# Altium PCB 串口板2.0.PcbDoc (part 1 of 2) (continued)
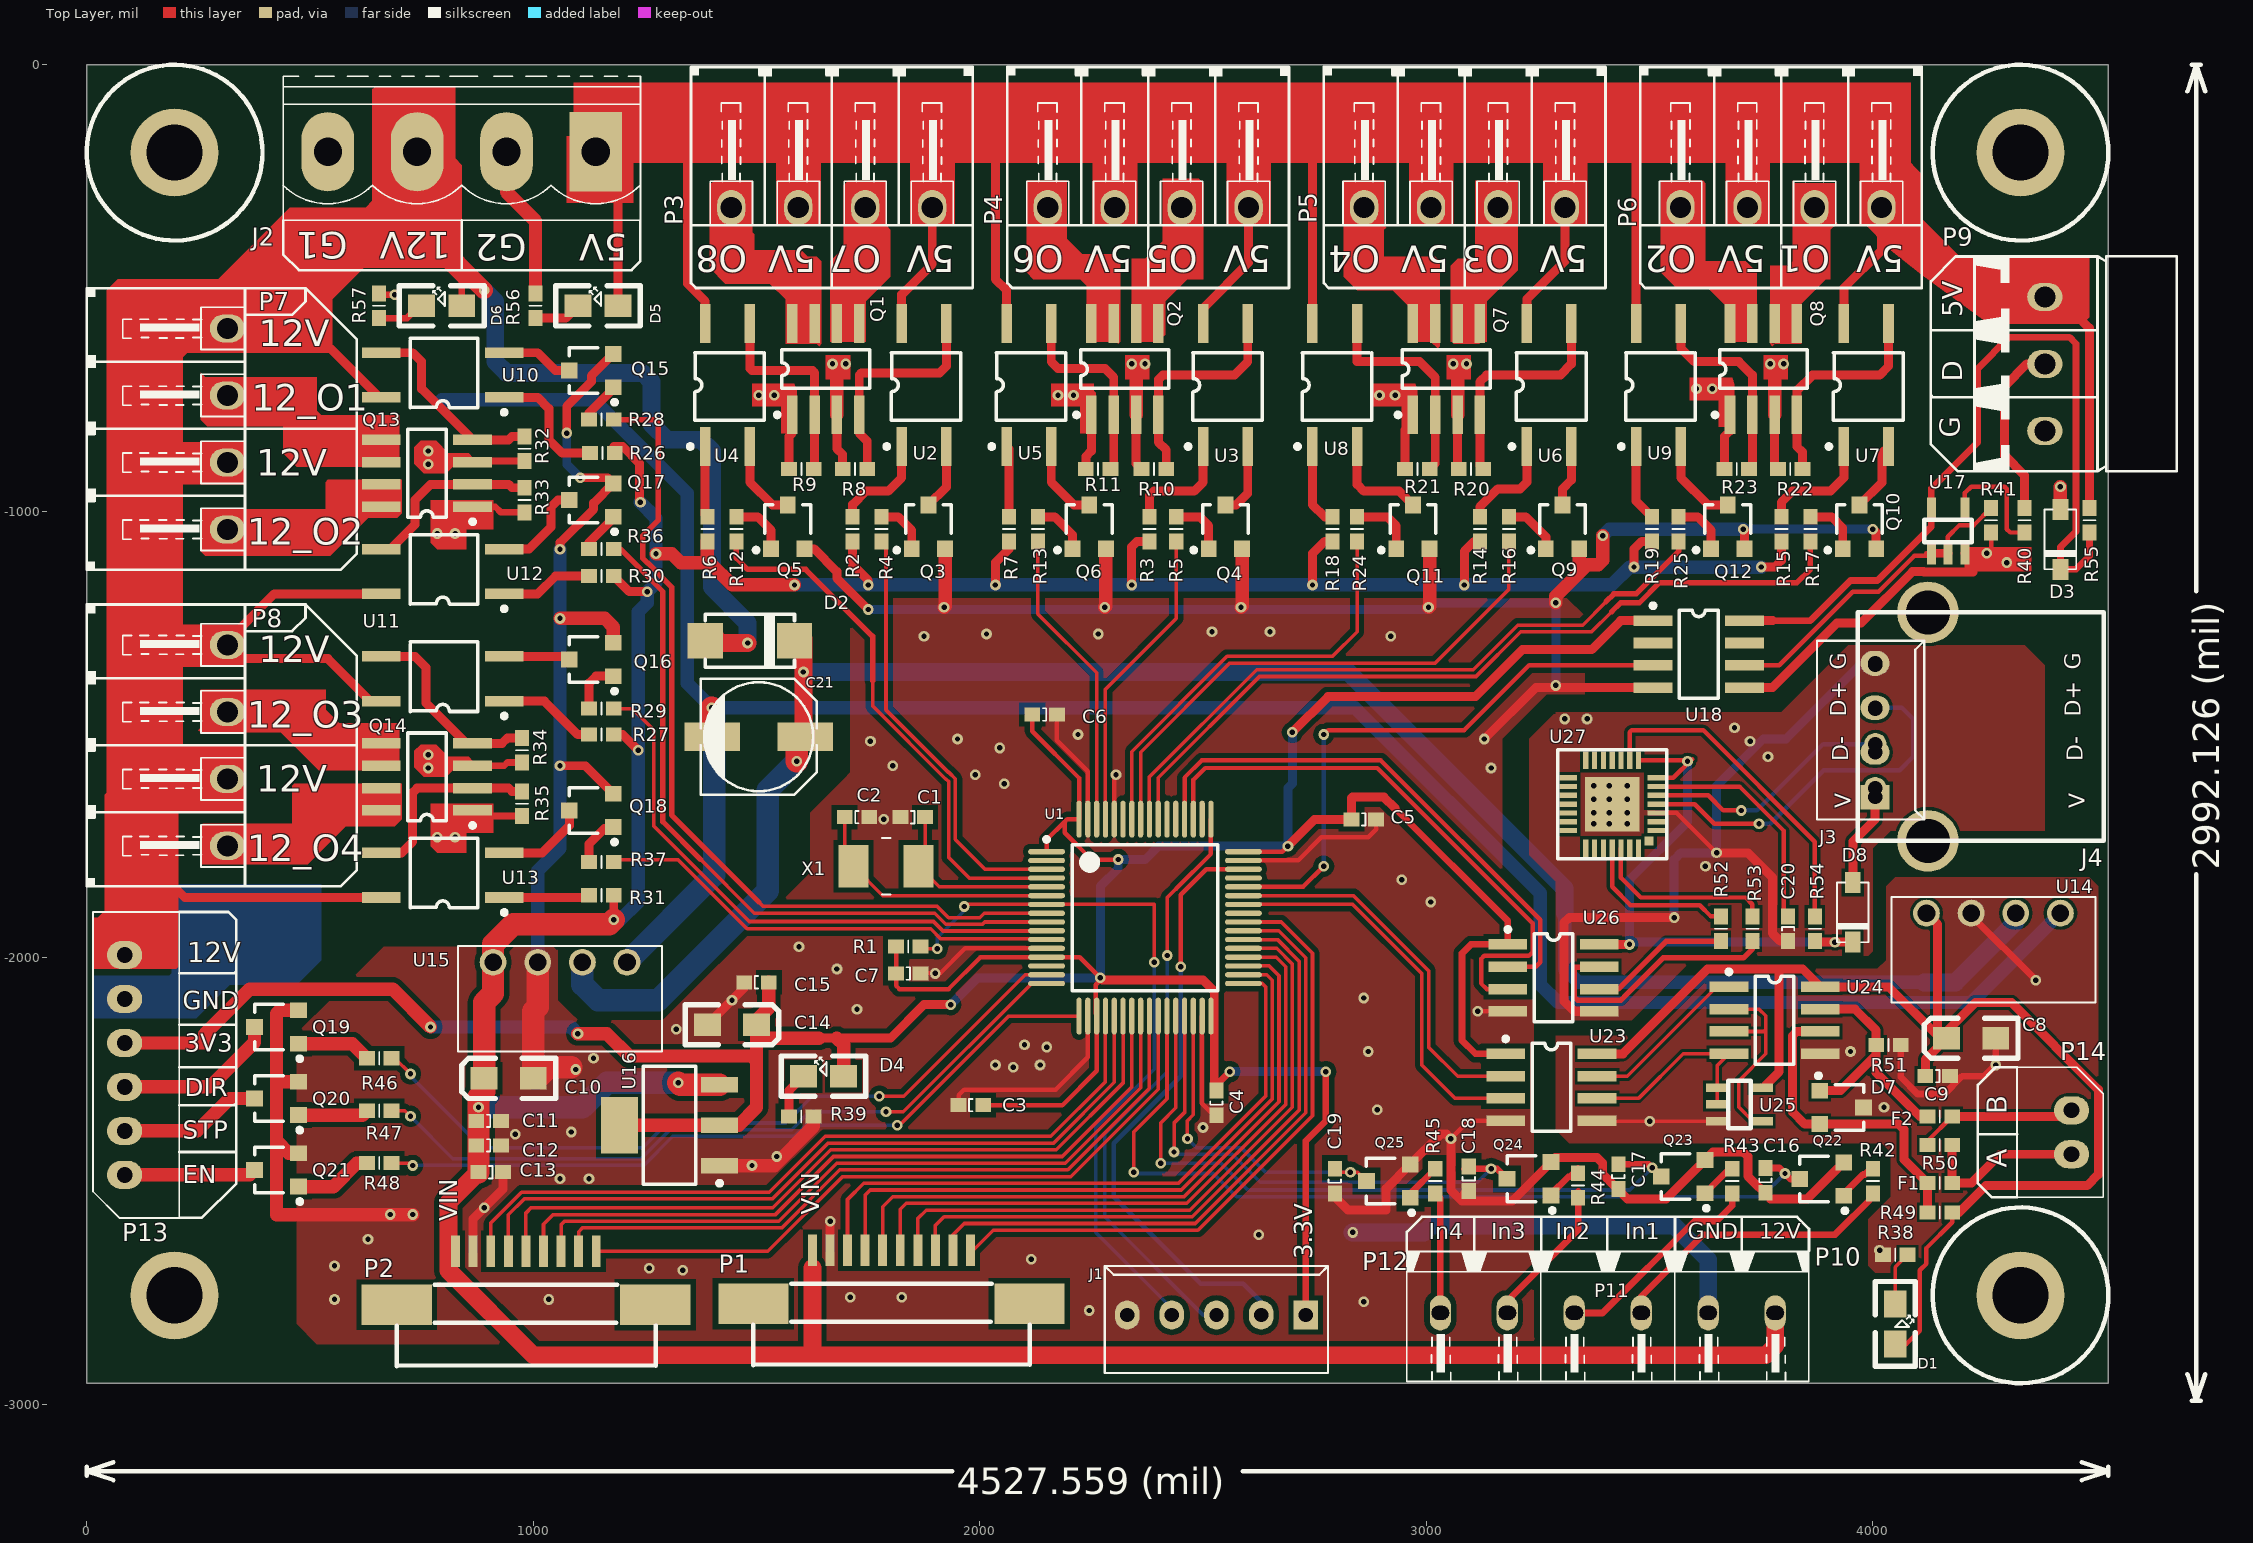
[diagram p0: Top Layer view]
## Footprints (in the part's own frame and the unit in brackets; to place one, negate y for a bottom-side part, rotate by r counter-clockwise, add the part's x,y. Pads: shape width x height; smd on the part's side, far side on the other; paste and mask are expansions set on the pad)
375N [mm]
  rect 2.2x0.6 smd: 1(-6.985,1.524) 2(-6.985,-1.016) 3(0.015,-1.016) 4(0.015,1.524)
  silkscreen extent -7.11,-1.85 -1.65,2.5, body extent -6.88,-1.99 -0.08,2.31, height 2.1
1608 [mm]
  rect 0.9x0.8 smd: 1(-0.7,0) 2(0.7,0)
  silkscreen extent 0,-0.35 0,0.35, body extent -0.75,-0.39 0.75,0.41, height 0.45
1608C [mm]
  rect 0.9x0.8 smd: 1(-0.7,0) 2(0.7,0)
  silkscreen extent -0.1,-0.35 0.1,0.36, body extent -0.8,-0.41 0.8,0.39, height 0.8
3216 [mil]
  rect 60x50 smd: 1(0,0) 2(-110,0)
  silkscreen extent -160,-45 50,45, body extent -117,-30 9,33, height 63
5264-2 [mm]
  oval 1.6x2 hole 0.9: 1(0,0) 2(2.5,0)
  silkscreen extent -2.45,-1.8 4.95,3.1, body extent -2.46,-1.82 4.94,3.08, height 5.95
5264-6 [mm]
  oval 1.6x2 hole 0.9: 1(6.25,0) 2(3.75,0) 3(1.25,0) 4(-1.25,0) 5(-3.75,0) 6(-6.25,0)
  silkscreen extent -8.7,-3.1 8.7,1.8, body extent -8.7,-3.1 8.7,1.8, height 5.95
B0505S [mil]
  round 60 hole 39.37: 1(-150,0) 2(-50,0) 3(50,0) 4(150,0)
  silkscreen extent -228,-36 228,200
CAN3.81W/4 [mm]
  oval 1.6x2 hole 1.2: 1(0,0) 2(3.81,0) 3(7.62,0) 4(11.43,0)
  silkscreen extent -2.29,-8 13.72,1, body extent -2.45,-8.03 14.18,1.27, height 7.25
ch2.5/4 [mil]
  rect 55x65 hole 32: 1(0,0)
  oval 55x65 hole 32: 2(100,0) 3(200,0) 4(300,0)
  silkscreen extent -50,-110 350,130, body extent -50,-125 350,125, height 460
ch2.5/5 [mil]
  rect 55x65 hole 32: 1(0,0)
  oval 55x65 hole 32: 2(100,0) 3(200,0) 4(300,0) 5(400,0)
  silkscreen extent -50,-110 450,130, body extent -50,-110 450,130, height 394
ECS6.3/6.6 [mm]
  rect 3.15x1.6 smd: 1(2.65,0) 2(-2.65,0)
  silkscreen extent -3.3,-3.3 3.3,3.3, body extent -3.5,-3.2 3.5,3.4, height 5.2
FPC-9B [mm]
  rect 4x2.3 smd: 0(-0.655,-1.708) 0(14.045,-1.708)
  rect 0.508x1.8 smd: 1(2.695,1.342) 2(3.695,1.342) 3(4.695,1.342) 4(5.695,1.342) 5(6.695,1.342) 6(7.695,1.342) 7(8.695,1.342) 8(9.695,1.342) 9(10.695,1.342)
  silkscreen extent -0.66,-5.2 14.07,-0.56
FPC-10B [mm]
  rect 4x2.3 smd: 0(-3.35,-3.05) 0(12.35,-3.05)
  rect 0.508x1.8 smd: 1(0,0) 2(1,0) 3(2,0) 4(3,0) 5(4,0) 6(5,0) 7(6,0) 8(7,0) 9(8,0) 10(9,0)
  silkscreen extent -3.36,-6.54 12.38,-1.9
KF2EDGV-3.81/3 [mm]
  oval 1.6x2 hole 1.2: 1(0,0) 2(3.81,0) 3(7.62,0)
  silkscreen extent -2.3,-7.5 9.93,4.01, body extent -2.57,-7.52 10.25,4.88, height 23.2
KF2EDGV-5.08/4 [mm]
  rect 3x4.5 hole 1.6: 1(0,0)
  oval 3x4.5 hole 1.6: 2(5.08,0) 3(10.16,0) 4(15.24,0)
  silkscreen extent -2.54,-4.3 17.79,3.9, body extent -2.54,-11.71 17.78,3.89, height 18.4
KF128-3.81-2P [mm]
  oval 1.2x2 hole 0.8 slot 1 at 0 deg: 1(-1.905,0) 2(1.905,0)
  silkscreen extent -3.81,-3.9 3.83,3.54, body extent -3.81,-3.77 3.81,3.53, height 8.5
LED/S [mil]
  rect 60x50 smd: A(0,0) K(90,0)
  silkscreen extent -50,-45 140,45, body extent 9,-25 88,25, height 43
LQFP64_M [mm]
  oval 2.1x0.3 smd: 1(-5.6,3.75) 2(-5.6,3.25) 3(-5.6,2.75) 4(-5.6,2.25) 5(-5.6,1.75) 6(-5.6,1.25) 7(-5.6,0.75) 8(-5.6,0.25) 9(-5.6,-0.25) 10(-5.6,-0.75) 11(-5.6,-1.25) 12(-5.6,-1.75) 13(-5.6,-2.25) 14(-5.6,-2.75) 15(-5.6,-3.25) 16(-5.6,-3.75) 33(5.6,-3.75) 34(5.6,-3.25) 35(5.6,-2.75) 36(5.6,-2.25) 37(5.6,-1.75) 38(5.6,-1.25) 39(5.6,-0.75) 40(5.6,-0.25) 41(5.6,0.25) 42(5.6,0.75) 43(5.6,1.25) 44(5.6,1.75) 45(5.6,2.25) 46(5.6,2.75) 47(5.6,3.25) 48(5.6,3.75)
  oval 0.3x2.1 smd: 17(-3.75,-5.6) 18(-3.25,-5.6) 19(-2.75,-5.6) 20(-2.25,-5.6) 21(-1.75,-5.6) 22(-1.25,-5.6) 23(-0.75,-5.6) 24(-0.25,-5.6) 25(0.25,-5.6) 26(0.75,-5.6) 27(1.25,-5.6) 28(1.75,-5.6) 29(2.25,-5.6) 30(2.75,-5.6) 31(3.25,-5.6) 32(3.75,-5.6) 49(3.75,5.6) 50(3.25,5.6) 51(2.75,5.6) 52(2.25,5.6) 53(1.75,5.6) 54(1.25,5.6) 55(0.75,5.6) 56(0.25,5.6) 57(-0.25,5.6) 58(-0.75,5.6) 59(-1.25,5.6) 60(-1.75,5.6) 61(-2.25,5.6) 62(-2.75,5.6) 63(-3.25,5.6) 64(-3.75,5.6)
  silkscreen extent -5.72,-4.15 4.15,4.57, body extent -6,-6 6,6, height 1.6
QFN-28 [mm]
  rect 0.5x0.5 smd: 0(0.41,0.599)
  rect 1x0.3 smd: 1(0.01,-0.001) 2(0.01,-0.501) 3(0.01,-1.001) 4(0.01,-1.501) 5(0.01,-2.001) 6(0.01,-2.501) 7(0.01,-3.001) 15(5.01,-3.001) 16(5.01,-2.501) 17(5.01,-2.001) 18(5.01,-1.501) 19(5.01,-1.001) 20(5.01,-0.501) 21(5.01,-0.001)
  rect 3.1x3.1 smd: 3(2.51,-1.501)
  rect 0.3x1 smd: 8(1.01,-4.001) 9(1.51,-4.001) 10(2.01,-4.001) 11(2.51,-4.001) 12(3.01,-4.001) 13(3.51,-4.001) 14(4.01,-4.001) 22(4.01,0.999) 23(3.51,0.999) 24(3.01,0.999) 25(2.51,0.999) 26(2.01,0.999) 27(1.51,0.999) 28(1.01,0.999)
  silkscreen extent -0.59,-4.6 5.61,1.6
SMA_DO-214AC [mm] "5.08mm X 3.0mm SMD"
  rect 2x2 smd: 1(0,0) 2(5.08,0)
  silkscreen extent 0,-1.5 5.08,1.5, body extent -0.03,-1.6 5.11,1.6, height 2
SMD2_50X32 [mm]
  rect 1.7x2.4 smd: 1(1.85,0) 2(-1.85,0)
  silkscreen extent -0.25,-1.6 0.25,1.6, body extent -2.51,-1.6 2.49,1.6, height 1.35
so8 [mm]
  rect 2.2x0.6 smd: 1(-2.6,1.905) 2(-2.6,0.635) 3(-2.6,-0.635) 4(-2.6,-1.905) 5(2.6,-1.905) 6(2.6,-0.635) 7(2.6,0.635) 8(2.6,1.905)
  silkscreen extent -2.72,-2.5 1.1,2.88, body extent -3.72,-2.42 3.69,2.48, height 1.7
SOD-123 [mm]
  rect 1.2x0.9 smd: 1(3.4,0) 2(0,0)
  silkscreen extent 0,-0.91 3.4,0.9, body extent -0.17,-0.84 3.68,0.86, height 0.92
SOT223_L [mm] "SOT223, 4-Leads, Body 6.5x3.5mm, Pitch 2.3mm, Lead Span 7mm, IPC High Density"
  rect 2.1x0.9 smd: 1(-2.85,2.3) 2(-2.85,0) 3(-2.85,-2.3)
  rect 2.1x3.2 smd: 2(2.85,0)
  silkscreen extent -2.98,-3.35 1.5,3.42, body extent -1.85,-3.35 1.85,3.35, height 1.7
sot-23 [mm]
  rect 0.9x0.95 smd: 1(-0.95,-1.25) 2(0.95,-1.25) 3(0,1.25)
  silkscreen extent -1.93,-1.45 1.3,1.25, body extent -1.53,-1.5 1.37,1.3, height 1.2
SOT-23-5 [mil] "SOT-23-5"
  rect 20x50 smd: 1(14,49) 2(-23,49) 3(-61,49) 4(-61,-51) 5(14,-51)
  silkscreen extent -77,-26 30,24, body extent -80,-47 34,47, height 39
sot-23-5 [mil] "SOT-23-5"
  rect 20x50 smd: 1(14,49) 2(-23,49) 3(-61,49) 4(-61,-51) 5(14,-51)
  silkscreen extent -77,-26 30,24, body extent -80,-47 34,47, height 39
USB-A-M [mm]
  round 1.27 hole 0.813: 1(0,0) 2(0.016,2.5) 3(0,4.5) 4(0,7)
  round 3.5 hole 2.5: 5(3,-3) 5(3,10)
  silkscreen extent -1,-3 13,10

## Part data
C1 C2 C3 C4 C5 C6 C7 C9 C11 C12 C13 C15 C16 C17 C18 C19: library part Cap, "Capacitor"
C8 C10 C14 C21: library part "Cap Pol1", "Polarized Capacitor (Radial)"
C20: library part CAP, "Capacitor"
D1 D4 D5 D6: library part LED
D2 D3: library part Diode, "Default Diode"
D7: library part NUP2105L-D
D8: "Default Diode"
F1 F2 R1 R2 R3 R4 R5 R6 R7 R8 R9 R10 R11 R12 R13 R14 R15 R16 R17 R18 R19 R20 R21 R22 R23 R24 R25 R26 R27 R28 R29 R30 R31 R32 R33 R34 R35 R36 R37 R38 R39 R40 R41 R42 R43 R44 R45 R46 R47 R48 R49 R50 R51 R52 R53 R54 R55 R56 R57: library part Res2, "Resistor"
J1: library part "Header 5", "Header, 5-Pin"
J2 P3 P4 P5 P6 P7 P8 U14 U15: library part "Header 4", "Header, 4-Pin"
J3 J4: library part "4 HEADER", "4 Pin Header"
P1: "Header, 10-Pin"
P2: "Header, 9-Pin"
P9 U16: library part "Header 3", "Header, 3-Pin"
P10 P11 P12 P14: library part "Header 2", "Header, 2-Pin"
P13: library part "Header 6", "Header, 6-Pin"
Q1 Q2 Q7 Q8 Q13 Q14: library part "AO4882 MOSFET 2N-CH 40V 8A 8SOIC", "Mosfet Array 2 N-Channel (Dual) 40V 8A 2W Surface Mount 8-SOIC"
Q3 Q4 Q5 Q6 Q9 Q10 Q11 Q12 Q15 Q16 Q17 Q18 Q19 Q20 Q21 Q22 Q23 Q24 Q25: library part NPNBT
U2 U3 U4 U5 U6 U7 U8 U9 U10 U11 U12 U13: library part Optoisolator1, "4-Pin Phototransistor Optocoupler"
U17 U25: library part LMV321
U18 U23 U24 U26: library part max485
U27: library part Component_1
X1: library part CRYSTAL

## Free pads (board coordinates)
  round 196.85 hole 125.98: 1(196.85,-2755.91) 1(196.85,-196.85) 1(4330.71,-2755.91) 1(4330.71,-196.85)

## Via types
v1: diameter 24, hole 12, Top Layer to Bottom Layer, 185 vias

## Nets (pads, with @x,y where several pads share a name; then routed paths per layer and width w, separated by ;. In a path a pad name is that pad's centre, name@x,y a point inside that pad or via, vN(x,y) a via of type N, cw(c..) or ccw(c..) an arc to the next point about the centre after c; other vN are vias at no path point)
5V_GND: D3.1 J2.2 P9.1 Q1.1 Q1.3 Q2.1 Q2.3 Q7.1 Q7.3 Q8.1 Q8.3 R8.1 R9.2 R10.1 R11.2 R20.1 R21.2 R22.1 R23.2 R41.1 R56.2 U17.3 U18.5 | length 2514.4
  Top Layer w10: U17.3@4206,-1094 v1(4255,-1094) 4259,-1094 4265,-1088 R41.1@4265,-1047.56
  Top Layer w20: R9.2@1572.91,-905.25 1572.91,-832.09 1580,-825 Q1.1@1580,-784.13 ; Q1.3@1680,-784.13 1680,-860 1692.91,-872.91 R8.1@1692.91,-905.25 ; R11.2@2237.44,-905.25 2237.44,-877.56 2250,-865 Q2.1@2250,-784.13 ; Q2.3@2350,-784.13 2350,-892.81 R10.1@2362.44,-905.25 ; R21.2@2952.44,-905.25 2952.44,-817.56 2970,-800 Q7.1@2970,-784.13 ; Q7.3@3070,-784.13 3070,-902.81 R20.1@3072.44,-905.25 ; R23.2@3667.44,-905.25 3667.44,-832.56 3680,-820 Q8.1@3680,-784.13 ; U18.5@3712.36,-1395 3775,-1395 3920,-1250 3973.69,-1250 4088.69,-1135 4112.96,-1135 4113.96,-1136 4224,-1136 4224,-1112 U17.3@4206,-1094 ; Q8.3@3780,-784.13 3780,-860 3780,-897.81 R22.1@3787.44,-905.25
  Top Layer w30: J2.2@940,-195 940,-285 1005,-350 R56.2@1005,-512.44 ; Q1.3@1680,-784.13 1680,-700 ; Q2.3@2350,-784.13 2350,-700 ; Q7.3@3070,-784.13 3070,-700 ; Q8.3@3780,-784.13 3780,-700 3785,-695 ; D3.1@4420,-996.14 v1(4420,-945)
  other v1: 4300,-1115 1505,-740 1540,-740 2175,-740 2210,-740 2895,-740 2930,-740 3605,-725.87 3640,-725.87 1670,-670 1700,-670 2340,-670 2370,-670 3060,-670 3090,-670 3770,-670 3800,-670
5V_IN: D5.A J2.1 P3.1 P3.3 P4.1 P4.3 P5.1 P5.3 P6.1 P6.3 P9.3 R55.1 U2.4 U3.4 U4.4 U5.4 U6.4 U7.4 U8.4 U9.4 | length 3915.6
  Top Layer w20: J2.1@1140,-195 1190,-245 D5.A@1190,-540 ; 1345,-205 1345,-490 1385,-530 U4.4@1385,-579.41 ; U2.4@1825,-579.41 1825,-515 1893.5,-446.5 P3.1@1893.5,-319.96 ; 2035,-220 2035,-480 2060,-505 U5.4@2060,-579.41 ; U3.4@2500,-579.41 2500,-545 2602.17,-442.83 P4.1@2602.17,-319.96 ; U8.4@2745,-579.41 2745,-210 2750,-205 ; U6.4@3225,-579.41 3225,-525 3310.83,-439.17 P5.1@3310.83,-319.96 ; U9.4@3470,-579.41 3470,-210 ; U7.4@3935,-579.41 3935,-500 4019.49,-415.51 P6.1@4019.49,-319.96 ; 4455,-560 4485,-590 R55.1@4485,-992.44
  Top Layer w100: J2.1@1140,-195 1235,-100 1520,-100
5V_ISO: C8.1 C9.2 D1.A R49.1 U14.4 U23.8 U24.8 U25.5 | length 2965.3
  Top Layer w8: U23.8@3382.36,-2215 U23.8@3390,-2215
  Top Layer w10: D1.A@4050,-2865 4075,-2865 4105,-2835 4105,-2700 4120,-2685 4120,-2650 4177.56,-2592.44 R49.1@4177.56,-2570
  Top Layer w20: U23.8@3390,-2215 3440,-2215 3630,-2025 3790,-2025 ; U25.5@3751,-2291 3754,-2291 3790,-2255 3790,-2025 ; C9.2@4117.44,-2265 4117.44,-2227.56 4145,-2200 C8.1@4145,-2175 ; U14.4@4120,-1900 4145,-1925 C8.1@4145,-2175 ; R49.1@4177.56,-2570 4193.18,-2570 4253.18,-2510 4480,-2510 4505,-2485 4505,-2295 4310,-2100 4230,-2100 4150,-2180 C8.1@4145,-2175 ; 3790,-2025 3842.36,-2025 U24.8@3882.36,-2065 4035,-2065 C8.1@4145,-2175
12V: C21.1 D2.2 U14.2 U15.2 | length 4373.2
  Top Layer w40: D2.2@1605,-1285 v1(1605,-1360) 1605,-1485.67 C21.1@1624.33,-1505
  Top Layer w50: v1(1590,-1560) 1590,-1524.33 C21.1@1609.33,-1505
  Bottom Layer w30: 3310,-1900 3310,-2025 3340,-2055 4115,-2055
  Bottom Layer w40: v1(1605,-1360) 2825,-1360 3310,-1845 3310,-1900 ; 4115,-2055 4185,-2055 4320,-1920 U14.2@4320,-1900
  Bottom Layer w50: U15.2@1110,-2010 1110,-2060 1145,-2095 1280,-2095 1525,-1850 1525,-1625 v1(1590,-1560)
12V_GND: C21.2 J2.4 P13.2 Q13.1 Q13.3 Q14.1 Q14.3 R32.1 R33.2 R34.1 R35.2 R57.2 U14.1 U15.1 | length 5857.2
  Top Layer w15: R57.2@655,-515 v1(690,-515) ; Q14.1@864.13,-1670 876.69,-1682.56 R35.2@975,-1682.56 ; Q14.3@864.13,-1570 935,-1570 942.44,-1562.56 R34.1@975,-1562.56 ; Q13.1@864.13,-990 914.88,-990 927.44,-1002.56 R33.2@980,-1002.56 ; Q13.3@864.13,-890 866.57,-887.56 R32.1@980,-887.56
  Top Layer w50: v1(1400,-1440) 1400,-1504.33 C21.2@1400.67,-1505
  Bottom Layer w30: 795,-750 1135,-750 1345,-960 1345,-1385 v1(1400,-1440) 2840,-1440 3255,-1855 3255,-2060 3295,-2100 4220,-2100 U14.1@4420,-1900
  Bottom Layer w50: U15.1@1210,-2010 1405,-1815 1405,-1445 v1(1400,-1440)
  other v1: 785,-1730 825,-1730 765,-1575 765,-1545 785,-1050 825,-1050 765,-895 765,-865
12V_IN: D2.1 D6.A J2.3 P7.1 P7.3 P8.1 P8.3 P13.1 U10.4 U11.4 U12.4 U13.4 | length 3360.9
  Top Layer w15: J2.3@740,-195 740,-385 840,-485 D6.A@840,-540
  Top Layer w20: 165,-1650 165,-1810 220,-1865 U13.4@659.41,-1865 ; 340,-1330 540,-1330 635,-1425 U11.4@659.41,-1425 ; 340,-1265 420,-1185 U12.4@659.41,-1185 ; 545,-635 655,-745 U10.4@659.41,-745
  Top Layer w40: 825,-445 830,-445 v1(890,-505) ; D2.1@1405,-1285 1410,-1285 1420,-1295 v1(1480,-1295)
  Bottom Layer w40: v1(890,-505) 915,-530 915,-665 940,-690 1245,-690 1265,-710 1265,-805 1300,-840 1375,-840 1400,-865 1400,-1170 1480,-1250 v1(1480,-1295)
485+: F1.1 P14.1 R50.2 | length 379.2
  Top Layer w20: R50.2@4177.56,-2419.51 F1.1@4177.56,-2504.51 4220.49,-2504.51 4285,-2440 P14.1@4445,-2440
485-: F2.1 P14.2 R50.1 | length 360.3
  Top Layer w10: R50.1@4122.44,-2419.51 4122.44,-2410.12 F2.1@4177.56,-2355
  Top Layer w20: F2.1@4177.56,-2355 4431.57,-2355 P14.2@4445,-2341.57
+3V3: C3.2 C4.2 C5.2 C6.2 C7.2 C14.1 C15.2 D4.A J1.1 P13.3 R1.1 U1.1 U1.13 U1.19 U1.32 U1.48 U1.64 U16.2 U18.1 U23.1 U26.1 | length 9165.6
  Top Layer w10: R1.1@1812.44,-1965 C7.2@1812.44,-2035 1812.44,-2062.44 1820,-2070 1930,-2070 2001.42,-1998.58 U1.13@2149.53,-1998.58 2223.58,-1998.58 v1(2270,-2045) ; C3.2@2007.56,-2330 2185,-2330 2261.73,-2253.27 U1.19@2261.73,-2130.47 ; C6.2@2117.44,-1455 2117.44,-1492.44 2222.36,-1597.36 U1.64@2222.36,-1689.53 2195.47,-1689.53 2190,-1695 ; U1.1@2149.53,-1762.36 2149.53,-1735.47 2190,-1695 ; U1.19@2259.95,-2125 2259.95,-2060.05 2270,-2050 v1@2275,-2050 ; v1(2310,-1780) 2250,-1780 2190,-1720 2190,-1695 ; U1.48@2590.47,-1762.36 2677.64,-1762.36 v1(2690,-1750)
  Top Layer w15: C4.2@2530,-2297.44 2530,-2285 v1(2560,-2255) ; J1.1@2730,-2800 2730,-2410 2775,-2365 v1(2775,-2255) ; 2930,-1665 3182.64,-1917.64 U26.1@3182.64,-1970 3100,-1970 3080,-1990 3080,-2185 3110,-2215 U23.1@3177.64,-2215
  Top Layer w20: 1640,-2180 1680,-2180 1800,-2180 1875,-2105 v1(1935,-2105) ; v1(2270,-2045) 2275,-2050 2500,-2050 2525,-2075 2525,-2292.44 C4.2@2530,-2297.44 ; v1(2690,-1750) 2750,-1690 C5.2@2832.44,-1690 2832.44,-1642.56 2835,-1640 2905,-1640 2930,-1665 ; v1(2700,-1495) 2780,-1415 3110,-1415 3215,-1310 3370,-1310 3435,-1245 U18.1@3507.64,-1245
  Top Layer w30: P13.3@85,-2190.79 264.21,-2190.79 264.21,-2170.79 365,-2070 685,-2070 v1(770,-2155) ; v1(1100,-2170) 1165,-2170 1215,-2220 1490,-2220 1500,-2230 ; U16.2@1192.8,-2375 U16.2@1417.2,-2375 1460,-2375 1500,-2335 1500,-2230 ; C15.2@1527.56,-2055 1527.56,-2112.44 1500,-2140 C14.1@1500,-2150 1500,-2180 ; 1640,-2180 1500,-2180 ; 1680,-2180 1695,-2195 D4.A@1695,-2265 ; 1500,-2230 1500,-2180
  Bottom Layer w20: v1(1935,-2105) 1995,-2045 v1(2270,-2045) 2270,-1840 2310,-1800 v1(2310,-1780) 2370,-1780 2400,-1750 v1(2690,-1750) 2690,-1620 2700,-1610 v1(2700,-1495) ; v1(2560,-2255) v1(2775,-2255)
  Bottom Layer w30: v1(770,-2155) 1085,-2155 v1(1100,-2170)
G_ISO: C8.2 C9.1 D7.3 R38.2 R51.1 U14.3 U23.5 U24.5 U25.3 | length 866.5
  Top Layer w8: U23.5@3382.36,-2365 3383.36,-2366 U25.3@3651,-2366
  Top Layer w15: R51.1@4062.56,-2195 4062.56,-2267.56 4100,-2305 4160,-2305 4200,-2265 4250,-2265 v1(4275,-2240) C8.2@4275,-2180 ; U14.3@4220,-1900 4220,-1905 v1(4365,-2050)
  other v1: 4015,-2655 3500,-2366 4025,-2335 3950,-2210
G_USB: C20.2 J3.4 J4.4 U26.5 U27.3 | length 1853.2
  Top Layer w10: U27.3@3514.62,-1675.58 3560.58,-1675.58 v1(3650,-1765)
  Top Layer w20: U26.5@3387.36,-2120 3331.33,-2120 3308.06,-2096.72 3308.06,-1921.94 3320,-1910 v1(3555,-1910) ; v1(3650,-1765) 3720,-1765 3775,-1820 3775,-1945 3792.56,-1962.56 C20.2@3810,-1962.56
  Bottom Layer w20: v1(3555,-1910) 3555,-1780 3570,-1765 v1(3650,-1765) 3650,-1615 3755,-1510 3805,-1510 3975,-1340 J3.4@4005,-1340
  other v1: 3625,-1795 3375,-1700 3410,-1700 3450,-1700 3375,-1675 3410,-1675 3450,-1675 3375,-1645 3410,-1645 3450,-1645 3375,-1615 3410,-1615 3450,-1615 3765,-1550 3725,-1515 3690,-1485 3310,-1465 3360,-1465
GND: C1.2 C2.2 C3.1 C4.1 C5.1 C6.1 C7.1 C10.2 C11.1 C12.1 C13.1 C14.2 C15.1 C16.1 C17.1 C18.1 C19.1 J1.5 P1.2 P2.2 P10.1 Q3.2 Q4.2 Q5.2 Q6.2 Q9.2 Q10.2 Q11.2 Q12.2 Q15.2 Q16.2 Q17.2 Q18.2 Q19.2 Q20.2 Q21.2 Q22.2 Q23.2 Q24.2 Q25.2 R39.2 U1.12 U1.18 U1.31 U1.47 U1.60 U1.63 U15.3 U16.1 U18.4 U23.4 U26.4 | length 12160.3
  Top Layer w10: C7.1@1867.56,-2035 1910.96,-2035 1967.06,-1978.9 U1.12@2149.53,-1978.9 ; C3.1@1952.44,-2330 1952.44,-2307.56 1965,-2295 2170,-2295 2242.05,-2222.95 U1.18@2242.05,-2130.47 ; C6.1@2172.56,-1455 2172.56,-1512.56 2242.05,-1582.05 U1.63@2242.05,-1689.53 ; U1.60@2301.1,-1689.53 2301.1,-1593.9 v1(2305,-1590) ; U1.31@2497.95,-2130.47 2497.25,-2131.17 2497.25,-2325.83 2525,-2353.58 C4.1@2525,-2357.56 ; U1.47@2590.47,-1782.05 2712.95,-1782.05 2765,-1730 2870,-1730 2887.56,-1712.44 C5.1@2887.56,-1690 ; v1(3055,-2405) 3095,-2365 U23.4@3177.64,-2365 ; v1(3115,-2120) U26.4@3182.64,-2120
  Top Layer w20: P2.2@865.47,-2657.17 865.47,-2584.53 932.56,-2517.44 C13.1@932.56,-2480 ; v1(1060,-1570) 1116.61,-1570 Q18.2@1179.21,-1632.6 ; v1(1060,-1085) 1060,-1070 1135,-995 1135,-981.81 Q17.2@1179.21,-937.6 1166.61,-925 v1(1105,-925) ; v1(1075,-825) 1075,-765 1130,-710 1130,-696.81 Q15.2@1179.21,-647.6 ; C14.2@1390,-2150 1472.44,-2067.56 C15.1@1472.44,-2055 ; Q5.2@1607.4,-1084.21 1629.21,-1084.21 1680,-1135 1680,-1150 v1(1750,-1220) ; P1.2@1664.37,-2655 1665,-2654.37 v1(1665,-2590) ; C19.1@2795,-2527.56 2795,-2535 2825,-2565 2910,-2565 2910,-2516.81 Q25.2@2964.21,-2462.6 3031.81,-2395 3045,-2395 v1(3055,-2405) 3055,-2520 3080,-2545 3191.81,-2545 Q24.2@3279.21,-2457.6 3289.7,-2447.11 3382.11,-2447.11 3395,-2460 3395,-2484.95 3450.05,-2540 3536.81,-2540 Q23.2@3624.21,-2452.6 3641.81,-2435 3710,-2435 3720,-2445 3720,-2489.17 3770.83,-2540 3852.54,-2540 Q22.2@3934.47,-2458.07 ; C18.1@3085,-2527.56 C18.1@3087.5,-2530.06 ; v1(3130,-1510) 3245,-1395 U18.4@3507.64,-1395 ; v1(3710,-1040) 3712.4,-1042.4 Q12.2@3712.4,-1084.21 ; v1(4000,-1040) 4007.4,-1047.4 Q10.2@4007.4,-1084.21
  Top Layer w30: Q21.2@474.21,-2437.6 452.6,-2437.6 425,-2410 ; Q20.2@474.21,-2277.6 427.4,-2277.6 425,-2280 ; Q19.2@474.21,-2117.6 432.4,-2117.6 425,-2125 425,-2280 ; v1(730,-2575) 425,-2575 425,-2410 ; v1(1060,-1240) 1160,-1240 1179.21,-1259.21 Q16.2@1179.21,-1294.6 ; U16.1@1417.2,-2465.55 1539.45,-2465.55 1627.56,-2377.44 R39.2@1627.56,-2355 ; v1(1920,-1215) 1922.4,-1212.6 Q3.2@1922.4,-1084.21 ; v1(2280,-1215) 2282.4,-1212.6 Q6.2@2282.4,-1084.21 ; v1(2585,-1215) 2587.4,-1212.6 Q4.2@2587.4,-1084.21 ; v1(3005,-1215) 3007.4,-1212.6 Q11.2@3007.4,-1084.21 ; v1(3290,-1205) 3290,-1190 3360,-1120 ; Q9.2@3342.4,-1084.21 3342.4,-1120 3360,-1120 ; v1(3395,-1055) 3395,-1110 3385,-1120 3360,-1120 ; 425,-2410 425,-2280
  Top Layer w50: U15.3@1010,-2010 1010,-2110 1000,-2120 C10.2@1000,-2270 1010,-2270 1035,-2245 v1@1085,-2245
  Bottom Layer w20: v1(1075,-825) 1075,-895 v1(1105,-925) ; v1(1750,-1220) 3000,-1220 v1(3005,-1215) 3015,-1205 v1(3290,-1205) v1(3290,-1390) v1@3285,-1395 ; v1(3710,-1040) v1(4000,-1040)
  Bottom Layer w30: U15.3@1010,-2010 1010,-1805 1060,-1755 v1(1060,-1570) v1(1060,-1240) v1(1060,-1085) ; v1(3395,-1055) 3410,-1040 v1(3710,-1040)
  Bottom Layer w40: v1(2835,-2615) 2995,-2615 3010,-2600 3555,-2600 3631.3,-2676.3 P10.1@3631.3,-2795.28
  other v1: 2245,-2790 2860,-2770 555,-2765 1035,-2765 1710,-2760 1825,-2760 1335,-2700 1260,-2695 555,-2690 2115,-2675 630,-2630 2625,-2620 680,-2575 890,-2560 1060,-2495 1125,-2495 1490,-2465 1545,-2445 960,-2395 1085,-2390 2500,-2380 2890,-2340 1095,-2250 2075,-2245 2035,-2240 2135,-2240 1135,-2225 2870,-2210 2150,-2200 2100,-2195 1320,-2160 1725,-2115 1445,-2095 2860,-2090 1900,-2035 1680,-2025 1595,-1975 3010,-1875 2945,-1825 1785,-1690 2055,-1610 1990,-1590 3145,-1575 1805,-1570 2045,-1530 1755,-1515 1950,-1510 2220,-1500 1875,-1280 2920,-1280 2015,-1275 2265,-1275 2520,-1270 2650,-1270
JTCK/SWCLK: J1.3 U1.49 | length 1330
  Top Layer w8: v1(2420,-1995) 2420,-1865 2440,-1845
  Top Layer w10: 2440,-1845 2517.64,-1767.36 U1.49@2517.64,-1689.53
  Bottom Layer w8: v1(2420,-1995) 2420,-2255 2280,-2395 2280,-2580 2500,-2800 J1.3@2530,-2800
JTMS/SWDIO: J1.2 U1.46 | length 1359.6
  Top Layer w10: v1(2450,-2020) 2450,-1859.04 2507.31,-1801.73 U1.46@2590.47,-1801.73
  Bottom Layer w10: v1(2450,-2020) 2450,-2265 2300,-2415 2300,-2535 2495,-2730 2590,-2730 2630,-2770 J1.2@2630,-2800
NetC20_1: C20.1 U27.6 | length 518.6
  Top Layer w10: U27.6@3514.62,-1616.52 3701.52,-1616.52 3800,-1715 C20.1@3800,-1907.44
NetD1_K: D1.K R38.1 | length 121.4
  Top Layer w8: D1.K@4050,-2775 4050,-2692.56 R38.1@4077.56,-2665
NetD3_2: D3.2 R55.2 U17.5 U18.8 | length 1807.7
  Top Layer w15: 3775,-1245 3860,-1245 3950,-1155 4010,-1155 4131,-1034 U17.5@4131,-994 4131,-949 4235,-845 4235,-680 4305,-610 4440,-610 4455,-625 4455,-968.47 4454.75,-968.72 4454.75,-1045.25 4420,-1080 D3.2@4420,-1130 4455,-1130 4485,-1100 R55.2@4485,-1047.56
  Top Layer w20: U18.8@3712.36,-1245 3775,-1245
NetD4_K: D4.K R39.1 | length 103.5
  Top Layer w20: R39.1@1572.44,-2355 1572.44,-2297.56 D4.K@1605,-2265
NetD5_K: D5.K R56.1 | length 106.4
  Top Layer w20: R56.1@1005,-567.56 1072.44,-567.56 D5.K@1100,-540
NetD6_K: D6.K R57.1 | length 106.4
  Top Layer w15: R57.1@655,-567.56 717.44,-567.56 745,-540 D6.K@750,-540
NetD7_1: D7.1 F2.2 R51.2 U24.7 | length 554.9
  Top Layer w20: D7.1@3880.79,-2297.6 3927.4,-2297.6 4007.44,-2217.56 ; U24.7@3882.36,-2115 3960,-2115 4007.44,-2162.44 R51.2@4007.44,-2195 4007.44,-2217.56 ; F2.2@4122.44,-2355 4105,-2355 4007.44,-2257.44 4007.44,-2217.56
NetD7_2: D7.2 F1.2 R49.2 U24.6 | length 709.8
  Top Layer w20: U24.6@3882.36,-2165 3830,-2165 3820,-2175 3820,-2345 3847.4,-2372.4 D7.2@3880.79,-2372.4 4057.4,-2372.4 4070,-2385 4070,-2452.06 F1.2@4122.44,-2504.51 R49.2@4122.44,-2570
NetD8_1: D8.1 J3.1 J4.1 | length 211.9
  Top Layer w20: D8.1@3955,-1831.14 3955,-1740 4005,-1690 J3.1@4005,-1640
NetJ3_2: J3.2 J4.2 U27.5 | length 566.5
  Top Layer w10: U27.5@3514.62,-1636.21 3631.21,-1636.21 3665,-1670 v1(3705,-1670)
  Bottom Layer w10: v1(3705,-1670) 3740,-1670 3888.43,-1521.57 J4.2@4005.63,-1521.57
NetJ3_3: J3.3 J4.3 U27.4 | length 836.1
  Top Layer w10: U27.4@3514.62,-1655.89 3600.89,-1655.89 3645,-1700 v1(3745,-1700)
  Bottom Layer w10: v1(3745,-1700) 3770,-1700 3890,-1580 4060,-1580 4090,-1550 4090,-1465 4065,-1440 J3.3@4005,-1440
NetP3_2: P3.2 Q1.5 Q1.6
NetP3_4: P3.4 Q1.7 Q1.8
NetP4_2: P4.2 Q2.5 Q2.6
NetP4_4: P4.4 Q2.7 Q2.8
NetP5_2: P5.2 Q7.5 Q7.6
NetP5_4: P5.4 Q7.7 Q7.8
NetP6_2: P6.2 Q8.5 Q8.6
NetP6_4: P6.4 Q8.7 Q8.8
NetP7_2: P7.2 Q13.5 Q13.6
NetP7_4: P7.4 Q13.7 Q13.8
NetP8_2: P8.2 Q14.5 Q14.6
NetP8_4: P8.4 Q14.7 Q14.8
NetP9_2: P9.2 R40.1 | length 401.8
  Top Layer w20: R40.1@4340,-992.44 4340,-920 4295,-875 4295,-720 4345,-670 P9.2@4385,-670
NetP11_1: P11.1 R43.2 | length 480.7
  Top Layer w15: P11.1@3331.3,-2795.28 3394.72,-2795.28 3600,-2590 3650,-2590 3685,-2555 R43.2@3685,-2527.56
NetP11_2: P11.2 R42.2 | length 655.4
  Top Layer w15: P11.2@3481.3,-2795.28 3481.3,-2758.7 3620,-2620 3915,-2620 4000,-2535 R42.2@4000,-2527.56
NetP12_1: P12.1 R45.2 | length 265.3
  Top Layer w15: R45.2@3025,-2532.56 3031.3,-2538.86 P12.1@3031.3,-2795.28
NetP12_2: P12.2 R44.2 | length 338.5
  Top Layer w15: P12.2@3181.3,-2795.28 3181.3,-2768.7 3340,-2610 R44.2@3340,-2522.56
NetP13_4: P13.4 Q19.3 | length 366.4
  Top Layer w30: P13.4@85,-2289.21 275.79,-2289.21 375.79,-2189.21 Q19.3@375.79,-2155
NetP13_5: P13.5 Q20.3 | length 320.9
  Top Layer w30: P13.5@85,-2387.64 247.36,-2387.64 320,-2315 Q20.3@375.79,-2315
NetP13_6: P13.6 Q21.3 | length 295.4
  Top Layer w30: P13.6@85,-2486.06 364.72,-2486.06 Q21.3@375.79,-2475
NetQ1_2: Q1.2 R9.1 U4.3 | length 465.8
  Top Layer w20: U4.3@1485,-579.41 1485,-680 1490,-685 1625,-685 1630,-690 Q1.2@1630,-784.13 1630,-903.28 R9.1@1628.03,-905.25
NetQ1_4: Q1.4 R8.2 U2.3 | length 516.6
  Top Layer w20: R8.2@1748.03,-905.25 1748.03,-843.03 1730,-825 Q1.4@1730,-784.13 1730,-695 1735,-690 1910,-690 1925,-675 U2.3@1925,-579.41
NetQ2_2: Q2.2 R11.1 U5.3 | length 448.4
  Top Layer w20: U5.3@2160,-579.41 2160,-665 2175,-680 2280,-680 2300,-700 Q2.2@2300,-784.13 2300,-897.81 R11.1@2292.56,-905.25
NetQ2_4: Q2.4 R10.2 U3.3 | length 509.7
  Top Layer w20: R10.2@2417.56,-905.25 2417.56,-862.56 2400,-845 Q2.4@2400,-784.13 2400,-705 2410,-695 2570,-695 2600,-665 U3.3@2600,-579.41
NetQ3_1: Q3.1 R4.1 | length 121.7
  Top Layer w20: R4.1@1780,-1012.44 1817.44,-1012.44 1847.6,-1042.6 Q3.1@1847.6,-1084.21
NetQ3_3: Q3.3 U2.2 | length 147.3
  Top Layer w20: Q3.3@1885,-985.79 1925,-945.79 U2.2@1925,-855.02
NetQ4_1: Q4.1 R5.1 | length 132.6
  Top Layer w20: R5.1@2440,-1012.44 2492.44,-1012.44 2512.6,-1032.6 Q4.1@2512.6,-1084.21
NetQ4_3: Q4.3 U3.2 | length 165.7
  Top Layer w20: Q4.3@2550,-985.79 2574.21,-985.79 2600,-960 U3.2@2600,-855.02
NetQ5_1: Q5.1 R12.1 | length 131.7
  Top Layer w20: R12.1@1455,-1012.44 1502.44,-1012.44 1532.6,-1042.6 Q5.1@1532.6,-1084.21
NetQ5_3: Q5.3 U4.2 | length 186
  Top Layer w20: U4.2@1485,-855.02 1485,-935 1535.79,-985.79 Q5.3@1570,-985.79
NetQ6_1: Q6.1 R13.1 | length 125.8
  Top Layer w20: R13.1@2130,-1012.44 2167.44,-1012.44 2207.6,-1052.6 Q6.1@2207.6,-1084.21
NetQ6_3: Q6.3 U5.2 | length 186
  Top Layer w20: U5.2@2160,-855.02 2160,-935 2210.79,-985.79 Q6.3@2245,-985.79
NetQ7_2: Q7.2 R21.1 U8.3 | length 485.5
  Top Layer w20: U8.3@2845,-579.41 2845,-665 2985,-665 3020,-700 Q7.2@3020,-784.13 3020,-892.81 R21.1@3007.56,-905.25
NetQ7_4: Q7.4 R20.2 U6.3 | length 510.5
  Top Layer w20: R20.2@3127.56,-905.25 3120,-897.69 Q7.4@3120,-784.13 3120,-710 3135,-695 3300,-695 3325,-670 U6.3@3325,-579.41
NetQ8_2: Q8.2 R23.1 U9.3 | length 453.8
  Top Layer w20: U9.3@3570,-579.41 3570,-635 3600,-665 3700,-665 3730,-695 Q8.2@3730,-784.13 3730,-897.81 R23.1@3722.56,-905.25